# Altium PCB P22296-1-DES-1.2.PcbDoc (part 5 of 5) (continued)
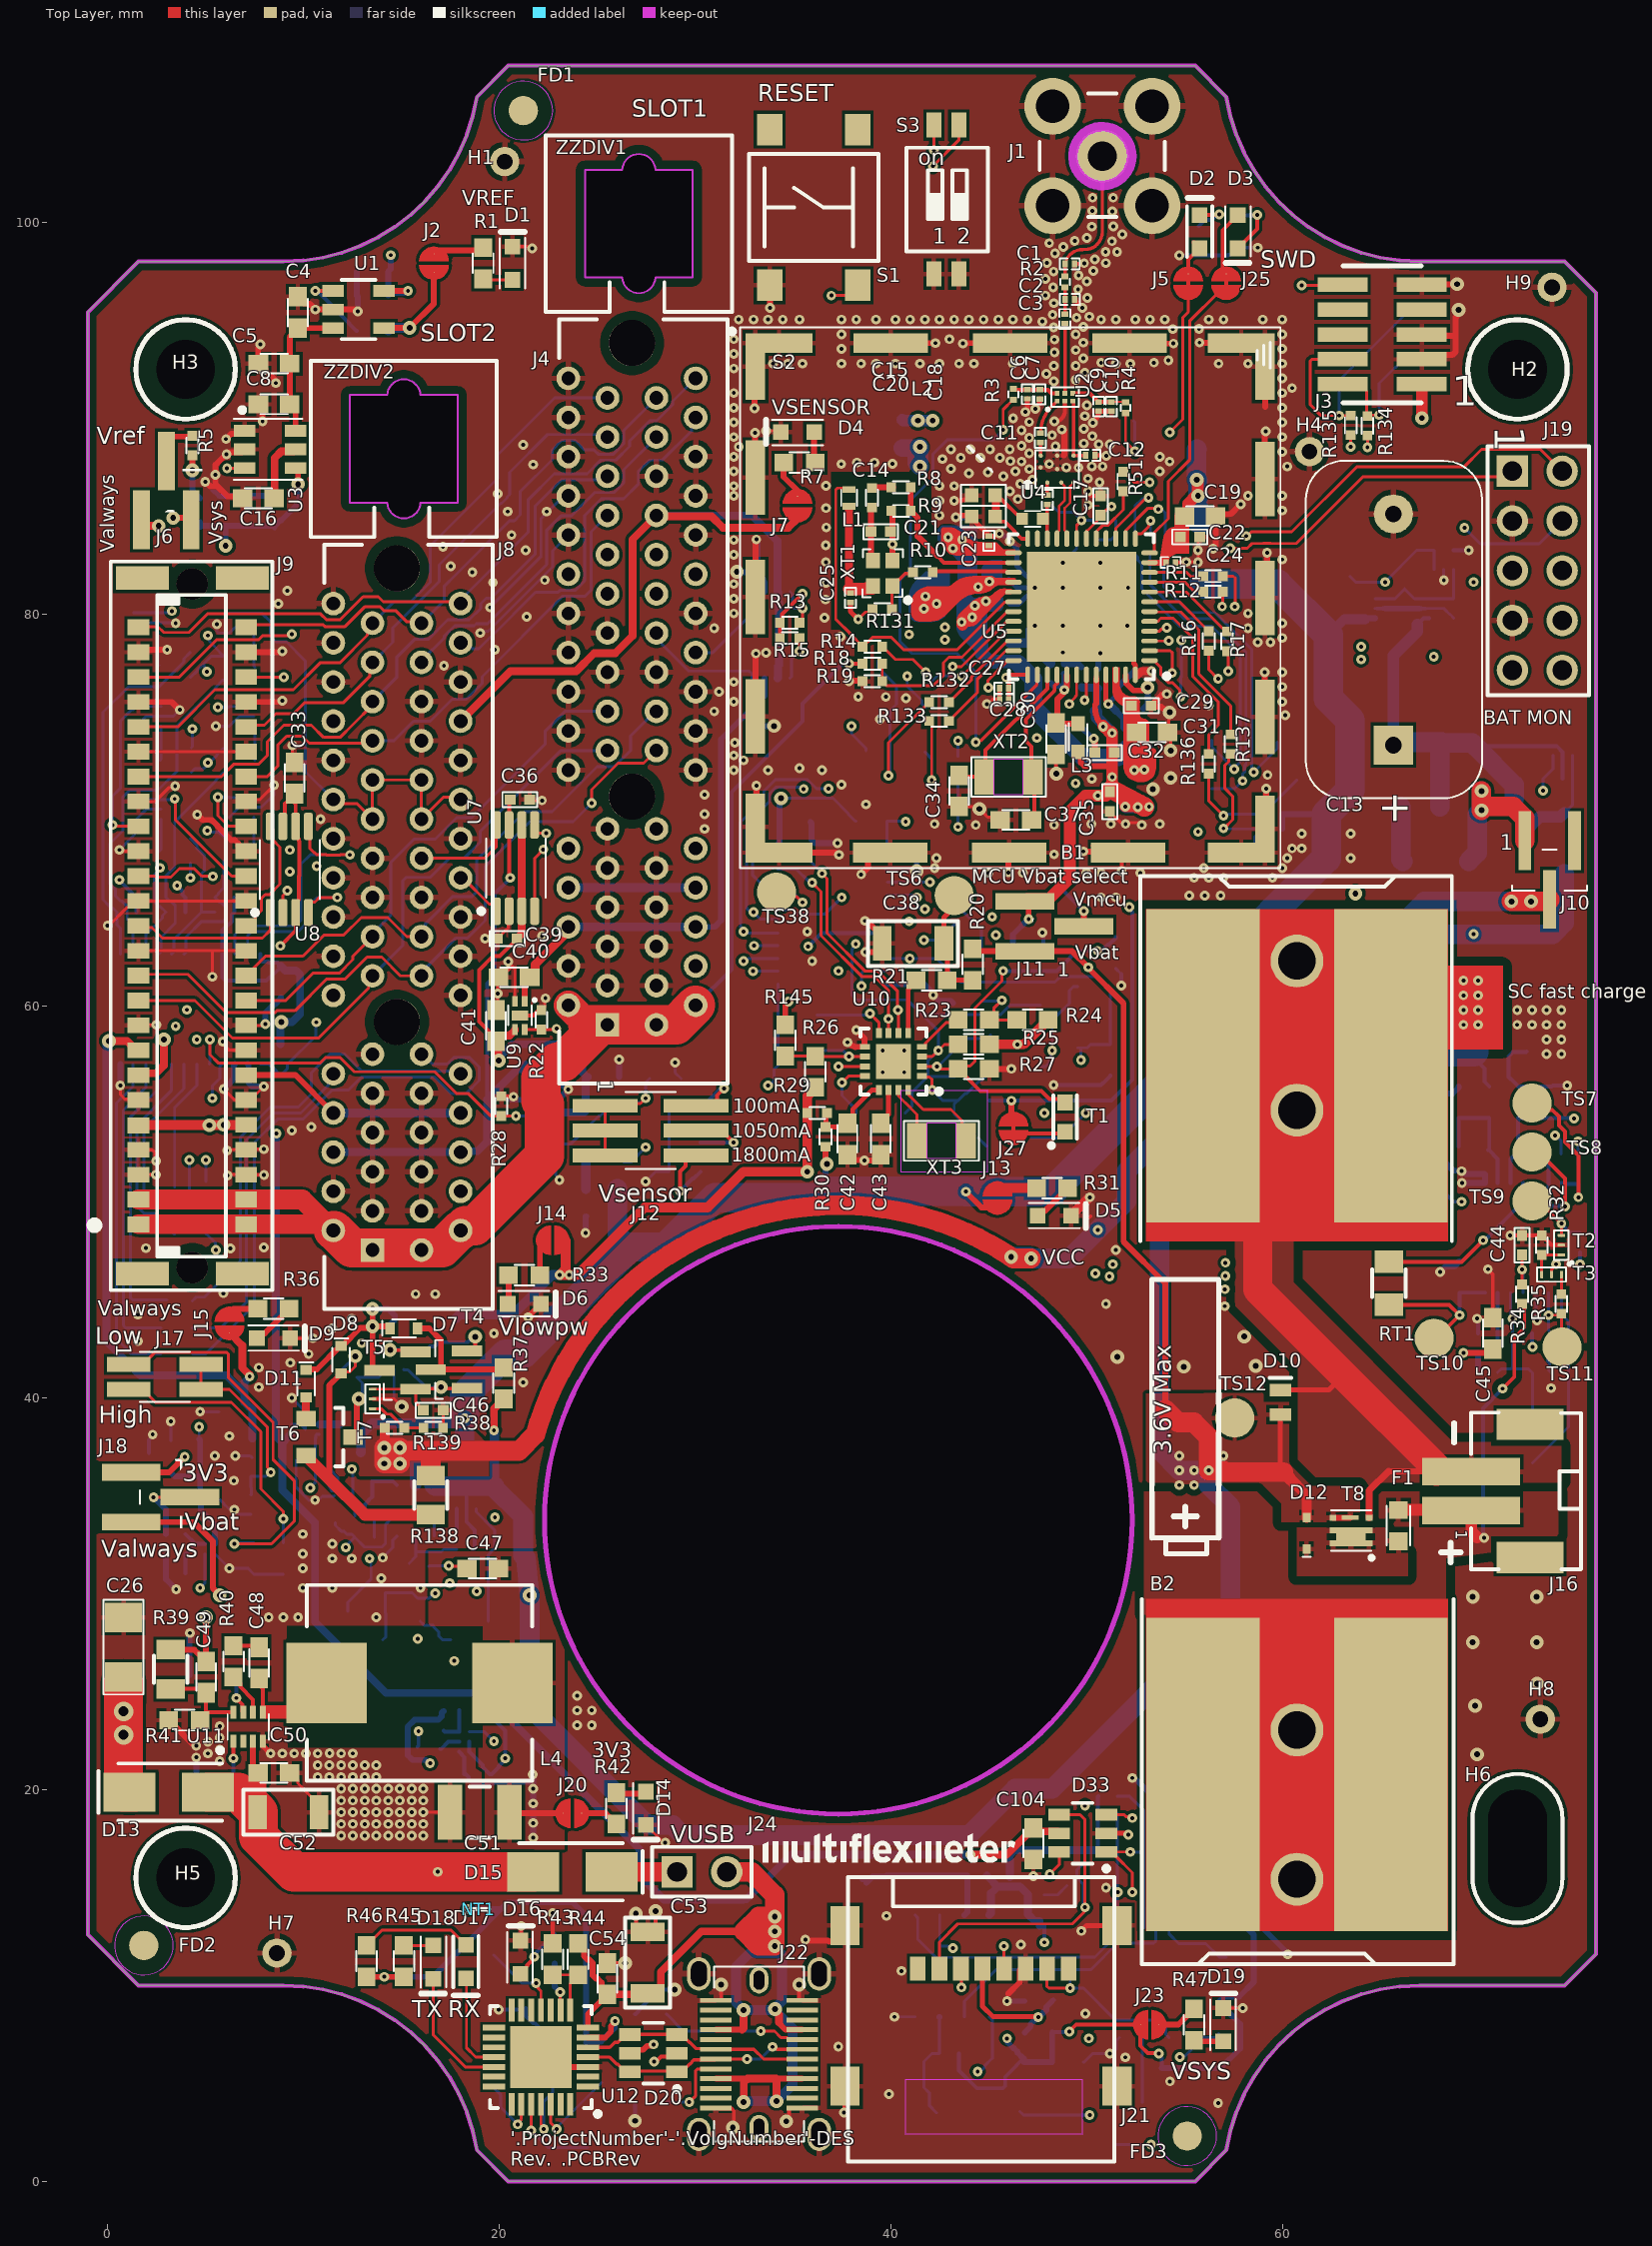
[diagram p0: Top Layer view]
## Nets (pads, with @x,y where several pads share a name; then routed paths per layer and width w, separated by ;. In a path a pad name is that pad's centre, name@x,y a point inside that pad or via, vN(x,y) a via of type N, cw(c..) or ccw(c..) an arc to the next point about the centre after c; other vN are vias at no path point) (continued)
  Bottom Layer w0.15: v1(10.359,35.406) 10.359,35.419 10.609,35.669 10.609,36.091 10.609,37.916 10.634,37.941 10.634,38.066 10.709,38.141 U20.4@10.834,38.141 ; v1(32.488,62.291) 32.582,62.291 32.715,62.424 U14.15@34.238,62.424
Vusb: C53.2 C54.2 D20.5 J22.A4 J22.A9 J22.B4 J22.B9 J24.2 R44.2 U12.7 | length 80.1
  Top Layer w0.3: R44.2@24.038,12.141 24.338,11.841 24.338,11.492 24.513,11.316 24.612,11.316 24.788,11.14 24.788,10.517 24.963,10.341 25.038,10.341 25.238,10.141 25.238,9.841 C54.2@25.538,9.541 25.538,9.491 25.238,9.191 25.188,9.191 24.538,8.541 U12.7@24.538,7.841 ; D20.5@26.688,6.541 26.863,6.716 27.359,6.716 27.557,6.914 27.811,6.914 v1(27.888,6.991) ; J22.A4@31.073,5.241 32.693,5.241 ; J22.A9@31.073,7.741 32.408,7.741 ; 34.163,5.216 34.188,5.241 J22.B9@35.473,5.241 ; 34.288,8.116 34.373,8.031 34.373,7.992 34.623,7.741 J22.B4@35.473,7.741
  Top Layer w0.4: C54.2@25.538,9.541 27.538,9.541 C53.2@27.588,9.591 27.988,9.591 28.263,9.866 28.263,10.691 30.333,12.761 32.507,12.761 ; 32.408,7.741 32.488,7.821 32.488,8.732 v2(32.479,8.741) ; v2(32.488,4.043) 32.499,4.055 32.499,5.048 32.693,5.241 34.138,5.241 34.163,5.216 v2(34.163,4.091) ; v2(34.088,8.791) 34.088,8.71 34.288,8.51 34.288,8.116
  Top Layer w1: J24.2@31.628,15.8 32.892,15.8 34.075,14.617 v2(34.075,13.511) ; 32.507,12.761 33.257,12.011 v2(34.075,12.011) v2(34.075,12.761) v2(34.075,13.511) ; 32.52,12.761 33.27,13.511 v2(34.075,13.511) ; 32.842,12.751 v2@34.064,12.751
  Layer 2 w0.3: v1(27.888,6.991) 28.463,6.991 29.913,5.541 31.583,5.541
  Layer 2 w0.6: v2(34.075,12.011) 34.523,11.564 34.523,9.226 v2@34.107,8.81
  Layer 2 w0.8: v2(34.075,12.011) v2(34.075,12.761) v2(34.075,13.511) ; 31.583,4.948 31.583,5.541 31.583,8.147 32.176,8.741 34.038,8.741 v2(34.088,8.791) 35.163,7.716 35.163,5.091 v2(34.163,4.091) 33.971,4.091 33.821,4.241 32.724,4.241 32.526,4.043 v2(32.488,4.043) 31.583,4.948
  Bottom Layer w0.5: v2(32.488,4.043) 32.526,4.081 32.667,4.081 32.677,4.091 v2(34.163,4.091) 34.982,4.91 34.982,7.816 34.188,8.61 34.188,8.637 34.088,8.737 v2(34.088,8.791) 34.033,8.791 33.983,8.741 v2(32.479,8.741) 32.479,8.753 32.098,9.134 32.098,10.953 32.786,11.641 34.246,11.641 34.277,11.61 34.394,11.61 ; v2(34.075,13.511) v2(34.075,12.761) 34.075,11.957 34.394,11.638 34.394,11.61 ; v2@34.126,8.883 34.448,9.205 34.448,11.556 34.394,11.61
pads on no net: D28.NC D29.NC D30.NC D31.NC D32.NC D34.A2 FD1.1 FD2.1 FD3.1 H2.1 H3.1 H5.1 H6.1 J3.6 J3.7 J3.8 J4. J8. J9.0 J9.MH J10.3 J16.3 J21.1 J21.8 J22.0 J22.A2 J22.A3 J22.A8 J22.A10 J22.A11 J22.B2 J22.B3 J22.B8 J22.B10 J22.B11 S1.NC U5.16 U5.23 U11.2 U12.1 U12.2 U12.10 U12.12 U12.13 U12.14 U12.15 U12.16 U12.17 U12.20 U12.21 U12.22 U12.27 U12.28 U14.9 U15.19 U15.20 U18.12 U24.9

## Polygon pours and split planes (outlines as drawn)
GND on Top Layer "GND_PLANE_TOP" (solid, remove dead copper, pour order 27): 12.923,9.199 13.828,8.757 14.685,8.227 15.484,7.613 16.217,6.921 16.877,6.16 17.457,5.335 17.951,4.457 18.354,3.533 18.662,2.574 18.872,1.588 20.459,0.001 55.538,0.001 57.125,1.588 57.335,2.574 57.643,3.533 58.046,4.457 58.54,5.335 59.12,6.16 59.78,6.921 60.513,7.613 61.312,8.227 62.169,8.757 63.074,9.199 64.02,9.547 64.996,9.798 65.992,9.95 66.998,10.001 74.411,10.001 75.998,11.588 75.998,96.413 74.411,98.001 66.998,98.001 65.992,98.052 64.996,98.204 64.02,98.455 63.074,98.803 62.169,99.245 61.312,99.775 60.513,100.389 59.78,101.081 59.12,101.842 58.54,102.666 58.046,103.545 57.643,104.468 57.335,105.428 57.125,106.413 55.538,108.001 20.459,108.001 18.872,106.413 18.662,105.428 18.354,104.468 17.951,103.545 17.457,102.666 16.877,101.842 16.217,101.081 15.484,100.389 14.685,99.775 13.828,99.245 12.923,98.803 11.977,98.455 11.001,98.204 10.005,98.052 8.998,98.001 1.586,98.001 -1.005,95.41 -1,95.41 -1,12.588 -1.001,12.588 1.586,10.001 8.998,10.001 10.005,9.95 11.001,9.798 11.977,9.547
Vbat on Top Layer "NetF1_1" (solid, remove dead copper, pour order 2): 59.942,34.61 59.037,35.515 60.017,36.496 60.482,36.496 61.485,35.493 64.121,35.493 64.121,33.648 59.942,33.648
+3V3 on Top Layer "+3V3" (solid, remove dead copper, pour order 7): 19.288,20.958 19.288,16.716 23.338,16.716 23.338,32.141 16.398,32.141 16.398,22.897
NetD12_C2 on Top Layer "NONET_L-01_P-001" (solid, remove dead copper, pour order 13): 60.737,33.374 60.737,30.891 66.4,30.891 66.4,33.374
pack+_8 on Top Layer "pack+_8" (solid, remove dead copper, pour order 14): 52.938,35.216 74.08,35.216 74.09,32.567 68.338,31.791 68.338,12.791 53.013,12.791 52.938,12.716
pack-_8 on Top Layer "pack-_8" (solid, remove dead copper, pour order 15): 57.538,48.571 57.563,48.546 57.563,44.716 60.788,41.491 60.788,35.516 74.118,35.516 74.238,35.636 74.238,37.741 68.706,37.741 60.553,45.894 60.553,48.558
+3V3 on Top Layer "+3V3" (solid, remove dead copper, pour order 25): 11.338,39.316 11.363,39.291 11.363,35.991 19.488,35.991 19.488,37.566 18.788,38.266 16.338,38.266 16.338,39.266 16.363,39.291
Vbat on Top Layer "Vbat" (solid, remove dead copper, pour order 24): 53.038,40.216 53.042,40.211 53.038,35.316 59.463,35.316 59.463,35.591 61.513,35.591 61.513,36.116 60.613,36.116 60.613,40.291
GND on Top Layer "GND" (solid, remove dead copper, pour order 1): 1.863,24.366 4.238,24.366 4.238,22.941 5.363,22.941 5.363,23.641 8.738,23.641 8.738,22.316 18.788,22.316 18.788,16.466 8.363,16.466 8.363,21.441 7.638,21.441 7.638,22.991 6.138,22.991 6.138,20.916 1.863,20.916
GND on Layer 2 "GND_PLANE_L2" (solid, remove dead copper, pour order 28): 12.923,9.199 13.828,8.757 14.685,8.227 15.484,7.613 16.217,6.921 16.877,6.16 17.457,5.335 17.951,4.457 18.354,3.533 18.662,2.574 18.872,1.588 20.459,0.001 55.538,0.001 57.125,1.588 57.335,2.574 57.643,3.533 58.046,4.457 58.54,5.335 59.12,6.16 59.78,6.921 60.513,7.613 61.312,8.227 62.169,8.757 63.074,9.199 64.02,9.547 64.996,9.798 65.992,9.95 66.998,10.001 74.411,10.001 75.998,11.588 75.998,96.413 74.411,98.001 66.998,98.001 65.992,98.052 64.996,98.204 64.02,98.455 63.074,98.803 62.169,99.245 61.312,99.775 60.513,100.389 59.78,101.081 59.12,101.842 58.54,102.666 58.046,103.545 57.643,104.468 57.335,105.428 57.125,106.413 55.538,108.001 20.459,108.001 18.872,106.413 18.662,105.428 18.354,104.468 17.951,103.545 17.457,102.666 16.877,101.842 16.217,101.081 15.484,100.389 14.685,99.775 13.828,99.245 12.923,98.803 11.977,98.455 11.001,98.204 10.005,98.052 8.998,98.001 1.586,98.001 -1.005,95.41 -1,95.41 -1,12.588 -1.001,12.588 1.586,10.001 8.998,10.001 10.005,9.95 11.001,9.798 11.977,9.547
pack-_8 on Layer 2 "pack-_8" (solid, remove dead copper, pour order 3): 58.838,64.166 58.838,52.466 70.713,52.466 70.713,64.166
Vddpa on Layer 2 "Vddpa" (solid, remove dead copper, pour order 16): 42.463,84.466 42.463,83.591 43.113,82.941 43.738,82.941 44.288,83.491 44.288,84.466
VCC_MCU on Layer 2 "Vmcu" (solid, remove dead copper, pour order 11): 54.138,87.391 54.188,81.716 54.763,81.141 54.763,71.541 54.038,70.816 52.588,70.816 51.788,71.516 51.788,74.561 50.813,74.561 50.813,71.541 50.038,71.166 50.038,70.041 50.588,69.491 55.413,69.491 57.967,72.046 57.967,87.356
GND on Layer 2 "GND" (solid, remove dead copper, pour order 4): 71.613,60.916 71.613,56.666 75.513,56.666 75.513,60.916
GND on Bottom Layer "GND_PLANE_BOT" (solid, remove dead copper, pour order 29): 12.923,9.199 13.828,8.757 14.685,8.227 15.484,7.613 16.217,6.921 16.877,6.16 17.457,5.335 17.951,4.457 18.354,3.533 18.662,2.574 18.872,1.588 20.459,0.001 55.538,0.001 57.125,1.588 57.335,2.574 57.643,3.533 58.046,4.457 58.54,5.335 59.12,6.16 59.78,6.921 60.513,7.613 61.312,8.227 62.169,8.757 63.074,9.199 64.02,9.547 64.996,9.798 65.992,9.95 66.998,10.001 74.411,10.001 75.998,11.588 75.998,96.413 74.411,98.001 66.998,98.001 65.992,98.052 64.996,98.204 64.02,98.455 63.074,98.803 62.169,99.245 61.312,99.775 60.513,100.389 59.78,101.081 59.12,101.842 58.54,102.666 58.046,103.545 57.643,104.468 57.335,105.428 57.125,106.413 55.538,108.001 20.459,108.001 18.872,106.413 18.662,105.428 18.354,104.468 17.951,103.545 17.457,102.666 16.877,101.842 16.217,101.081 15.484,100.389 14.685,99.775 13.828,99.245 12.923,98.803 11.977,98.455 11.001,98.204 10.005,98.052 8.998,98.001 1.586,98.001 -1.005,95.41 -1,95.41 -1,12.588 -1.001,12.588 1.586,10.001 8.998,10.001 10.005,9.95 11.001,9.798 11.977,9.547
pack-_8 on Bottom Layer "pack-_8" (solid, remove dead copper, pour order 5): 58.513,54.941 65.363,61.791 70.835,61.791 70.835,56.641 67.388,56.641 62.563,51.816 58.463,51.816
Vbat on Bottom Layer "Vbat" (solid, remove dead copper, pour order 8): 50.601,18.355 50.573,18.383 50.573,19.664 50.973,20.064 52.311,20.064 59.538,27.291 59.538,37.691 52.713,37.691 52.663,37.741 52.663,32.091 50.788,30.216 50.788,26.966 44.413,20.591 30.813,20.591 23.713,27.691 23.713,39.416 19.363,39.416 19.363,33.646 19.413,33.596 19.413,29.118 20.338,28.193 20.338,23.716 27.384,16.669 46.05,16.669 46.523,17.142 50.573,17.142 50.573,18.326
+3V3 on Bottom Layer "+3V3" (solid, remove dead copper, pour order 9): 15.663,38.441 15.688,38.466 15.713,38.441 15.713,34.741 12.913,34.741 12.913,38.441
Vcc on Bottom Layer "Vcc" (solid, remove dead copper, pour order 10): 63.817,80.062 65.363,80.062 65.363,79.573 64.238,78.448 64.238,64.966 47.413,48.141 32.688,48.141 31.238,46.691 30.24,46.691 ccw(c30.24,44.151) 28.444,45.947 24.413,41.916 23.063,39.391 19.263,39.366 19.263,36.091 16.738,36.091 16.738,39.791 28.238,51.291 34.713,51.291 36.738,53.316 48.388,53.316 54.013,58.941 54.013,64.041 58.013,68.041 59.488,68.041 60.163,68.716 60.163,78.491 58.188,80.466 55.138,80.466 55.138,82.416 55.388,82.666 61.213,82.666
GND on Bottom Layer "GND" (solid, remove dead copper, pour order 6): 71.613,60.916 71.613,56.666 75.513,56.666 75.513,60.916
GND on Layer 4 "GND_PLANE_L4" (solid, remove dead copper, pour order 32): 12.923,9.199 13.828,8.757 14.685,8.227 15.484,7.613 16.217,6.921 16.877,6.16 17.457,5.335 17.951,4.457 18.354,3.533 18.662,2.574 18.872,1.588 20.459,0.001 55.538,0.001 57.125,1.588 57.335,2.574 57.643,3.533 58.046,4.457 58.54,5.335 59.12,6.16 59.78,6.921 60.513,7.613 61.312,8.227 62.169,8.757 63.074,9.199 64.02,9.547 64.996,9.798 65.992,9.95 66.998,10.001 74.411,10.001 75.998,11.588 75.998,96.413 74.411,98.001 66.998,98.001 65.992,98.052 64.996,98.204 64.02,98.455 63.074,98.803 62.169,99.245 61.312,99.775 60.513,100.389 59.78,101.081 59.12,101.842 58.54,102.666 58.046,103.545 57.643,104.468 57.335,105.428 57.125,106.413 55.538,108.001 20.459,108.001 18.872,106.413 18.662,105.428 18.354,104.468 17.951,103.545 17.457,102.666 16.877,101.842 16.217,101.081 15.484,100.389 14.685,99.775 13.828,99.245 12.923,98.803 11.977,98.455 11.001,98.204 10.005,98.052 8.998,98.001 1.586,98.001 -1.005,95.41 -1,95.41 -1,12.588 -1.001,12.588 1.586,10.001 8.998,10.001 10.005,9.95 11.001,9.798 11.977,9.547
GND on Layer 4 "NONET_L-01_P-001" (solid, remove dead copper, pour order 20): 12.781,7.801 13.595,7.488 14.372,7.092 15.103,6.617 15.781,6.069 16.398,5.452 16.946,4.774 17.421,4.043 17.817,3.266 18.13,2.452 18.355,1.61 18.492,0.748 18.537,-0.123 57.247,-0.123 57.293,0.748 57.429,1.61 57.655,2.452 57.967,3.266 58.363,4.043 58.838,4.774 59.387,5.452 60.004,6.069 60.681,6.617 61.413,7.092 62.19,7.488 63.004,7.801 63.846,8.027 64.707,8.163 65.578,8.209 76.627,8.209 76.627,99.953 65.578,99.953 64.707,99.999 63.846,100.135 63.004,100.361 62.19,100.674 61.413,101.07 60.681,101.544 60.004,102.093 59.387,102.71 58.838,103.388 58.363,104.119 57.967,104.896 57.655,105.71 57.429,106.552 57.293,107.414 57.247,108.285 18.537,108.285 18.492,107.414 18.355,106.552 18.13,105.71 17.817,104.896 17.421,104.119 16.946,103.388 16.398,102.71 15.781,102.093 15.103,101.544 14.372,101.07 13.595,100.674 12.781,100.361 11.938,100.135 11.077,99.999 10.206,99.953 -0.843,99.953 -0.843,8.209 10.206,8.209 11.077,8.163 11.938,8.026
GND on Layer 1 "GND_PLANE_L1" (solid, remove dead copper, pour order 30): 12.923,9.199 13.828,8.757 14.685,8.227 15.484,7.613 16.217,6.921 16.877,6.16 17.457,5.335 17.951,4.457 18.354,3.533 18.662,2.574 18.872,1.588 20.459,0.001 55.538,0.001 57.125,1.588 57.335,2.574 57.643,3.533 58.046,4.457 58.54,5.335 59.12,6.16 59.78,6.921 60.513,7.613 61.312,8.227 62.169,8.757 63.074,9.199 64.02,9.547 64.996,9.798 65.992,9.95 66.998,10.001 74.411,10.001 75.998,11.588 75.998,96.413 74.411,98.001 66.998,98.001 65.992,98.052 64.996,98.204 64.02,98.455 63.074,98.803 62.169,99.245 61.312,99.775 60.513,100.389 59.78,101.081 59.12,101.842 58.54,102.666 58.046,103.545 57.643,104.468 57.335,105.428 57.125,106.413 55.538,108.001 20.459,108.001 18.872,106.413 18.662,105.428 18.354,104.468 17.951,103.545 17.457,102.666 16.877,101.842 16.217,101.081 15.484,100.389 14.685,99.775 13.828,99.245 12.923,98.803 11.977,98.455 11.001,98.204 10.005,98.052 8.998,98.001 1.586,98.001 -1.005,95.41 -1,95.41 -1,12.588 -1.001,12.588 1.586,10.001 8.998,10.001 10.005,9.95 11.001,9.798 11.977,9.547
GND on Layer 3 "GND_PLANE_L3" (solid, remove dead copper, pour order 31): 12.923,9.199 13.828,8.757 14.685,8.227 15.484,7.613 16.217,6.921 16.877,6.16 17.457,5.335 17.951,4.457 18.354,3.533 18.662,2.574 18.872,1.588 20.459,0.001 55.538,0.001 57.125,1.588 57.335,2.574 57.643,3.533 58.046,4.457 58.54,5.335 59.12,6.16 59.78,6.921 60.513,7.613 61.312,8.227 62.169,8.757 63.074,9.199 64.02,9.547 64.996,9.798 65.992,9.95 66.998,10.001 74.411,10.001 75.998,11.588 75.998,96.413 74.411,98.001 66.998,98.001 65.992,98.052 64.996,98.204 64.02,98.455 63.074,98.803 62.169,99.245 61.312,99.775 60.513,100.389 59.78,101.081 59.12,101.842 58.54,102.666 58.046,103.545 57.643,104.468 57.335,105.428 57.125,106.413 55.538,108.001 20.459,108.001 18.872,106.413 18.662,105.428 18.354,104.468 17.951,103.545 17.457,102.666 16.877,101.842 16.217,101.081 15.484,100.389 14.685,99.775 13.828,99.245 12.923,98.803 11.977,98.455 11.001,98.204 10.005,98.052 8.998,98.001 1.586,98.001 -1.005,95.41 -1,95.41 -1,12.588 -1.001,12.588 1.586,10.001 8.998,10.001 10.005,9.95 11.001,9.798 11.977,9.547

## Keep-outs
Top Layer:
  circle w0.5: c50.801,103.388 r1.5
  rectangle: 40.497,51.542 44.934,55.666
Layer 4:
  lines w0.1: 66.338,36.891 66.438,36.991 66.438,50.991 66.438,54.991 68.063,56.616 71.988,56.616 75.813,56.616
Bottom Layer:
  circle w0.254: c3.998,92.498 r3.5
  circle w0.254: c71.998,92.498 r3.5
  circle w0.254: c3.998,15.498 r3.5
  lines w0.1: 66.338,36.891 66.438,36.991 66.438,50.991 66.438,54.991 67.625,56.178 ; 71.988,56.616 75.813,56.616
  lines w0.2: 55.97,15.289 55.97,15.789
Keep-Out Layer:
  circle w0.254: c37.323,33.748 r15
  lines w0.2: -1,12.587 1.586,10.001 8.998,10.001 10.005,9.95 11.001,9.798 11.977,9.547 12.923,9.199 13.828,8.757 14.685,8.227 15.484,7.613 16.217,6.921 16.877,6.16 17.457,5.335 17.951,4.457 18.354,3.533 18.662,2.574 18.872,1.588 20.459,0.001 55.538,0.001 57.125,1.588 57.335,2.574 57.643,3.533 58.046,4.457 58.54,5.335 59.12,6.16 59.78,6.921 60.513,7.613 61.312,8.227 62.169,8.757 63.074,9.199 64.02,9.547 64.996,9.798 65.992,9.95 66.998,10.001 74.411,10.001 75.998,11.588 75.998,96.413 74.411,98.001 66.998,98.001 65.992,98.052 64.996,98.204 64.02,98.455 63.074,98.803 62.169,99.245 61.312,99.775 60.513,100.389 59.78,101.081 59.12,101.842 58.54,102.666 58.046,103.545 57.643,104.468 57.335,105.428 57.125,106.413 55.538,108.001 20.459,108.001 18.872,106.413 18.662,105.428 18.354,104.468 17.951,103.545 17.457,102.666 16.877,101.842 16.217,101.081 15.484,100.389 14.685,99.775 13.828,99.245 12.923,98.803 11.977,98.455 11.001,98.204 10.005,98.052 8.998,98.001 1.586,98.001 -1,95.415 -1,12.587

## Other copper
Top Layer:
  region net VCC_MCU: 54.139,82.473 53.723,82.654 53.913,83.816 cw(c54.582,83.811) 54.735,84.463 cw(c55.309,83.481) 55.238,84.616 55.238,83.092 54.638,83.092 ccw(c54.796,82.288) 54.245,82.894
  region net Vddrf: 45.438,81.841 cw(c45.423,82.047) 45.288,81.891 ccw(c45.152,81.735) 45.138,81.941 44.188,81.941 ccw(c44.158,80.504) 43.163,81.541 cw(c42.861,81.843) 42.861,81.416 41.988,81.416 ccw(c41.987,80.451) 41.305,81.133 41.238,81.066 ccw(c41.72,80.583) 41.038,80.583 41.038,80.103 ccw(c41.55,80.103) 41.188,79.741 ccw(c41.429,79.982) 41.429,79.641 42.099,79.641 ccw(c42.099,80.58) 42.763,79.916 43.453,80.606 cw(c44.563,79.497) 44.563,81.066 44.644,81.066 ccw(c44.644,81.834) 45.188,81.291 cw(c45.67,80.808) 45.67,81.491 46.238,81.491 ccw(c46.238,81.672) 46.366,81.544 46.388,81.566 46.388,81.781 ccw(c46.334,81.772) 46.366,81.816 ccw(c46.304,81.753) 46.303,81.841
  region net Vddrf: 51.313,77.291 51.313,76.041 ccw(c52.223,76.162) 51.813,75.341 cw(c51.8,75.254) 51.888,75.241 51.888,72.241 ccw(c52.688,72.241) 52.688,71.441 52.838,71.441 ccw(c52.838,72.141) 53.538,72.141 53.538,73.016 ccw(c53.413,73.016) 53.413,73.141 cw(c53.413,73.366) 53.188,73.366 53.188,74.391 ccw(c52.913,74.391) 52.913,74.666 cw(c52.913,74.866) 52.713,74.866 52.713,75.441 ccw(c52.425,75.504) 52.386,75.795 cw(c52.331,76.438) 51.688,76.384 51.688,77.291
  region net Vddpa: 43.509,79.217 ccw(c43.657,79.444) 43.849,79.253 43.932,79.336 44.222,79.409 ccw(c44.137,79.745) 44.388,79.507 45.868,81.068 45.868,81.305 45.739,81.305 ccw(c45.738,80.736) 45.336,81.138 45.2,81.002 cw(c44.971,81.232) 44.971,80.907 44.939,80.907 44.854,80.907 ccw(c44.854,79.808) 44.076,80.585 43.543,80.051 ccw(c43.987,79.606) 43.358,79.606 43.358,79.496 ccw(c43.691,79.496)
  region net Vddpa: 46.359,83.006 43.318,83.006 cw(c43.318,83.622) 42.855,83.214 42.653,83.444 cw(c42.853,83.621) 42.586,83.621 42.586,84.32 cw(c42.698,84.32) 42.698,84.432 43.031,84.432 cw(c43.031,83.78) 43.417,84.306 43.686,84.109 ccw(c43.975,84.256) 43.829,83.966 44.211,83.724 44.917,83.654 45.412,83.654 45.757,83.309 46.35,83.309
  pour cut-out: 45.965,81.529 43.765,81.529 41.445,79.209 36.965,79.209 36.965,80.369 36.965,87.269 38.665,87.269 41.465,87.269 42.065,86.769 42.065,84.629 43.605,83.089 45.645,83.089 45.965,82.769
  region net pack-_8: 58.238,64.931 63.238,64.931 63.238,48.001 58.238,48.001
  pour cut-out: 31.813,7.966 34.738,7.966 34.738,5.291 31.813,5.291
  region net pack-_8: 66.738,62.041 71.238,62.041 71.238,57.791 66.738,57.791
  region net pack+_8: 58.472,29.721 63.238,29.721 63.238,12.791 58.75,12.791
  pour cut-out: 9.188,28.341 19.188,28.341 19.188,22.116 18.788,22.116 9.211,22.116
  pour cut-out: 46.897,84.112 46.897,86.577 47.466,86.577 47.466,84.112
  pour cut-out: 47.465,84.873 47.465,87.229 49.752,87.229 49.752,84.873
  pour cut-out: 47.884,73.933 47.884,73.433 49.284,73.433 49.284,73.933
  pour cut-out: 53.589,73.258 53.089,73.258 53.089,74.658 53.589,74.658
Layer 2:
  region net Vddpa: 43.415,79.906 44.291,80.783 cw(c44.788,80.04) 44.963,80.916 45.236,80.783 cw(c45.236,80.55) 45.442,80.66 cw(c45.378,80.563) 45.494,80.563 45.494,80.112 44.156,78.774 cw(c44.039,78.89) 43.922,78.774 43.399,79.296 cw(c43.696,79.594)
  region net Vddrf: 43.313,81.141 45.381,81.141 cw(c45.381,80.885) 45.563,81.066 cw(c45.321,80.825) 45.663,80.825 45.663,79.016 46.115,79.016 ccw(c46.115,79.613) 46.538,79.191 46.538,82.866 ccw(c45.753,82.081) 45.753,83.191 44.681,83.191 ccw(c44.681,82.423) 44.138,82.966 44.1,82.928 cw(c43.588,83.44) 43.588,82.716 43.385,82.716 cw(c43.385,83.313) 42.963,82.891
  region net Vddrf: 40.538,83.566 40.538,81.49 ccw(c42.524,81.339) 41.013,80.041 ccw(c41.534,80.532) 41.513,79.816 42.113,79.741 ccw(c42.201,80.553) 42.713,79.916 44.113,81.216
  region net Vddpa: 43.916,78.785 45.462,77.826 45.493,80.401
Bottom Layer:
  region net Vddrf: 43.009,82.186 41.773,82.186 41.269,81.683 ccw(c42.126,80.826) 40.914,80.826 40.914,80.066 ccw(c41.369,80.066) 41.369,79.611 42.125,79.611 ccw(c42.125,80.495) 43.009,80.495 43.009,81.454
  region net Vddrf: 44.238,81.166 44.238,81.466 cw(c44.458,81.45) 44.359,81.647 44.55,81.647 ccw(c44.454,81.806) 44.64,81.806 44.64,82.299 cw(c44.91,82.299) 44.719,82.49 44.875,82.646 cw(c45.136,82.385) 45.137,82.754 45.693,82.754 45.693,81.608 44.703,81.078 cw(c44.604,81.19) 44.604,81.041 44.386,81.041 cw(c44.374,81.178)
  region net Vddpa: 44.921,78.052 44.371,78.052 43.575,78.847 cw(c44.093,79.365) 43.361,79.365 43.361,80.624 44.266,80.624 ccw(c44.267,80.712) 44.355,80.712 cw(c44.511,80.712) 44.511,80.868 45.663,80.868 cw(c45.663,80.786) 45.745,80.786 45.745,80.438 cw(c45.447,80.438) 45.447,80.14 44.999,80.14 ccw(c44.999,80.062) 44.921,80.062
  region net Vddpa: 44.478,80.848 44.221,80.839 44.059,81.028 44.059,81.632 44.408,81.981 44.408,84.331 44.221,84.517 43.663,84.517 42.608,84.517 42.404,84.313 42.404,83.755 42.422,83.755 42.998,83.179 43.601,82.567 43.574,82.541 43.574,80.511 43.716,80.369 43.734,80.387 44.248,80.387 44.248,80.431 44.452,80.635 44.452,80.865
  pour cut-out: 45.564,77.958 45.014,77.958 45.014,79.083 45.564,79.083
  pour cut-out: 52.189,73.883 52.189,74.383 53.589,74.383 53.589,73.883

## Silkscreen, mask and mechanical layers (free items; w line width, h text height)
Top Overlay:
  drawing of 51 lines, arcs and shapes, not listed
  text "RESET" at 33.198,105.868 h1.5
  text "SLOT1" at 26.778,105.079 h1.5
  text "VREF" at 18.109,100.621 h1.3
  text "SWD" at 58.869,97.374 h1.5
  text "SLOT2" at 15.982,93.629 h1.5
  text "VSENSOR" at 33.913,89.94 h1.3
  text "Vref" at -0.548,88.392 h1.5
  text "Vsys" at 6.126,83.57 h1.2 r90
  text "Valways" at 0.576,83.148 h1.2 r90
  text "BAT MON" at 70.267,74.149 h1.2
  text "MCU Vbat select" at 44.138,66.041 h1.2
  text "Vmcu" at 49.31,64.861 h1.2
  text "Vbat" at 49.41,62.161 h1.2
  text "SC fast charge" at 71.507,60.168 h1.2
  text "100mA" at 31.927,54.317 h1.2
  text "1050mA" at 31.881,53.049 h1.2
  text "1800mA" at 31.858,51.814 h1.2
  text "Vsensor" at 25.082,49.692 h1.5
  text "VCC" at 47.738,46.542 h1.3
  text "Valways" at -0.484,43.941 h1.3
  text "Vlowpw" at 19.961,42.884 h1.5
  text "Low" at -0.611,42.442 h1.5
  text "High" at -0.437,38.391 h1.5
  text "3.6V Max" at 54.61,37.094 h1.5 r90
  text "3V3" at 3.849,35.447 h1.5
  text "Vbat" at 3.938,32.938 h1.5
  text "Valways" at -0.305,31.571 h1.5
  text "3V3" at 24.734,21.392 h1.3
  text "VUSB" at 28.781,16.997 h1.5
  text "TX" at 15.564,8.066 h1.5
  text "RX" at 17.385,8.069 h1.5
  text "VSYS" at 54.298,4.91 h1.5
  text "'.ProjectNumber'-'.VolgNumber'-DES" at 20.586,1.607 h1.2
  text "Rev." at 20.586,0.557 h1.2
  text ".PCBRev" at 23.161,0.557 h1.2
Bottom Overlay:
  drawing of 26 lines, arcs and shapes, not listed
Board Outline:
  circle w0.2: c37.323,33.748 r15
  circle w0.1: c37.323,33.748 r15
  lines w0.2: -1.005,95.41 1.586,98.001 8.998,98.001 10.005,98.052 11.001,98.204 11.977,98.455 12.923,98.803 13.828,99.245 14.685,99.775 15.484,100.389 16.217,101.081 16.877,101.842 17.457,102.666 17.951,103.545 18.354,104.468 18.662,105.428 18.872,106.413 20.459,108.001 55.538,108.001 57.125,106.413 57.335,105.428 57.643,104.468 58.046,103.545 58.54,102.666 59.12,101.842 59.78,101.081 60.513,100.389 61.312,99.775 62.169,99.245 63.074,98.803 64.02,98.455 64.996,98.204 65.992,98.052 66.998,98.001 74.411,98.001 75.998,96.413 ; -1,95.41 -1,12.588 1.586,10.001 8.998,10.001 10.005,9.95 11.001,9.798 11.977,9.547 12.923,9.199 13.828,8.757 14.685,8.227 15.484,7.613 16.217,6.921 16.877,6.16 17.457,5.335 17.951,4.457 18.354,3.533 18.662,2.574 18.872,1.588 20.459,0.001 55.538,0.001 57.125,1.588 57.335,2.574 57.643,3.533 58.046,4.457 58.54,5.335 59.12,6.16 59.78,6.921 60.513,7.613 61.312,8.227 62.169,8.757 63.074,9.199 64.02,9.547 64.996,9.798 65.992,9.95 66.998,10.001 74.411,10.001 75.998,11.588 76.001,96.413 ; 22.323,33.748 cw(c37.323,33.748) 37.323,48.748 cw(c37.323,33.748) 52.323,33.748 cw(c37.323,33.748) 37.323,18.748 cw(c37.323,33.748) 22.323,33.748
Fabrication Notes:
  circle w0.2: c50.522,92.1 r13.482
  circle w0.2: c29.706,6.741 r6.22
  lines w0.125: 48.489,83.858 48.489,84.181 48.601,84.294 48.601,85.53 48.881,85.81 48.881,86.539 48.704,86.717 ; 48.989,83.858 48.989,84.181 48.876,84.294 48.876,85.416 49.156,85.696 49.156,86.539 49.334,86.717
  lines w0.167: 24.539,6.341 25.652,6.341 26.01,5.982 26.073,5.982 26.464,5.591 ; 24.539,6.841 25.652,6.841 25.91,7.099 26.073,7.099 26.472,7.498 29.307,7.498 29.706,7.099 29.736,7.099 30.053,6.782 31.033,6.782 31.074,6.741 33.019,6.741 33.519,6.241 35.474,6.241 ; 26.689,5.591 26.722,5.624 29.056,5.624 29.089,5.591 ; 29.314,5.591 29.706,5.982 29.736,5.982 29.953,6.199 31.033,6.199 31.074,6.241 32.664,6.241 33.339,6.241 33.964,6.866 34.054,6.866 34.179,6.741 35.474,6.741
  lines w0.17: 47.654,88.097 47.654,88.682 ; 47.654,89.282 cw(c49.489,89.282) 48.191,90.579 48.493,90.882 ; 47.988,86.081 47.988,86.71 ; 47.988,83.77 47.988,85.562 ; 48.893,91.282 48.893,94.707 ; 48.893,95.307 48.893,95.91 ; 48.898,97.247 48.898,97.762 cw(c49.716,97.762) 49.138,98.341 cw(c49.801,97.677) 49.801,98.616 49.805,98.62 49.943,98.62 ccw(c49.943,99.439) 50.522,98.86 ccw(c49.858,99.524) 50.797,99.524 50.801,99.528 50.801,103.388 ; 49.293,90.882 cw(c49.196,90.784) 49.334,90.784 49.334,88.097 49.914,88.097 ; 49.951,88.088 49.951,88.098 49.951,88.12 ; 48.893,95.91 48.893,95.91 ; 48.893,95.91 48.893,96.532 ; 48.893,96.532 48.893,96.532
  lines w0.381: 92.226,-10.083 102.638,-10.083 126.253,-10.083 ; 92.226,-7.035 102.638,-7.035 126.253,-7.035 ; 92.226,-3.987 102.638,-3.987 126.253,-3.987 ; 92.226,-0.939 102.638,-0.939 126.253,-0.939 ; 92.226,2.109 102.638,2.109 126.253,2.109 ; 92.226,5.157 102.638,5.157 126.253,5.157 ; 92.226,8.205 102.638,8.205 126.253,8.205 ; 92.226,11.253 102.638,11.253 126.253,11.253 ; 92.226,14.301 102.638,14.301 126.253,14.301 ; 92.226,17.349 102.638,17.349 126.253,17.349 ; 92.226,20.397 102.638,20.397 126.253,20.397 ; 92.226,23.445 102.638,23.445 126.253,23.445 ; 92.226,26.493 102.638,26.493 126.253,26.493 ; 92.226,29.541 102.638,29.541 126.253,29.541 ; 92.226,32.589 126.253,32.589 ; 102.638,35.637 102.638,-13.131 ; 102.638,-13.131 92.226,-13.131 92.226,35.637 126.253,35.637 126.253,-13.131 102.638,-13.131
  text "# FINISHED BOARD TOTAL THICKNESS IS 1.55 MM +/- 10%" at 92.118,84.626 h1.27
  text "# OVERALL TOLERANCE ON DIMENSIONS IS +/- 0.20MM" at 92.118,81.451 h1.27
  text "# OVERALL TOLERANCE ON DRILL DIAMETERS IS +/- 0.1MM" at 92.118,78.276 h1.27
  text "Controlled Impedance" at 36.05,76.702 h2
  text "# COPPER THICKNESS IS 1 oz" at 92.118,75.101 h1.27
  text "# ALL DIMENSIONS ARE IN MM UNLESS OTHERWISE NOTED" at 92.044,71.865 h1.27
  text "# BOARD FINISH: Chem Ni/Au selective" at 92.03,68.788 h1.27
  text "# Make sure Soldermask is flat for BGA components" at 91.93,66.088 h1.27
  text "# IMPEDANCE CONTROLLED LINES:" at 91.93,63.313 h1.27
  text "50R SINGLE ENDED MICROSTRIP / --------------------- / TOP  REF: L2       TW: 0.17mm / BOT  REF: L4       TW: 0.17mm /  / 100R DIFFERENTIAL: ODD-MODE 50R / --------------------- / TOP  REF: L2       TW: 0.11mm TT: 0.15mm / BOT  REF: L4       TW: 0.11mm TT: 0.15mm /  / 90R DIFFERENTIAL / --------------------- / TOP  REF: L2       TW: 0.126mm TT: 0.135mm / BOT  REF: L4       TW: 0.126mm TT: 0.135mm" at 92,36.891 h1.27
  text "Layer" at 94.004,33.351 h1.52
  text "Name" at 104.416,33.351 h1.52
  text "Top Overlay" at 104.416,30.303 h1.52
  text "Top Solder" at 104.416,27.255 h1.52
  text "1" at 94.004,24.207 h1.52
  text "Top Layer" at 104.416,24.207 h1.52
  text "Dielectric 2" at 104.416,21.159 h1.52
  text "2" at 94.004,18.111 h1.52
  text "Layer 1" at 104.416,18.111 h1.52
  text "Dielectric 4" at 104.416,15.063 h1.52
  text "3" at 94.004,12.015 h1.52
  text "Layer 2" at 104.416,12.015 h1.52
  text "Dielectric 1" at 104.416,8.967 h1.52
  text "4" at 94.004,5.919 h1.52
  text "Layer 3" at 104.416,5.919 h1.52
  text "Dielectric 3" at 104.416,2.871 h1.52
  text "5" at 94.004,-0.177 h1.52
  text "Layer 4" at 104.416,-0.177 h1.52
  text "Controlled Impedance 90 Ohms" at 15.5,-0.898 h2
  text "Dielectric3" at 104.416,-3.225 h1.52
  text "6" at 94.004,-6.273 h1.52
  text "Bottom Layer" at 104.416,-6.273 h1.52
  text "Bottom Solder" at 104.416,-9.321 h1.52
  text "Bottom Overlay" at 104.416,-12.369 h1.52
Dimensions:
  lines w0.2: 36.8,33.748 37.85,33.748 ; 37.323,33.275 37.323,34.225

## Dimensions
71.998,15.498 to 66.998,10.001 on Bottom Courtyard
71.998,15.752 to 76,12.925 on Bottom Courtyard
-1.005,95.41 to 3.998,15.498 on Bottom Courtyard
71.998,15.498 to 36.8,33.748 on Bottom Courtyard
71.998,15.498 to 37.323,34.225 on Bottom Courtyard
20.459,0.001 to 20.459,108.001 on Bottom Courtyard
-1,12.588 to 75.998,11.588 on Bottom Courtyard
52.323,34.337 to 22.323,33.453 on Bottom Courtyard
71.998,15.498 to 71.998,92.498 on Bottom Courtyard
3.998,92.498 to 71.998,92.498 on Bottom Courtyard

## Text inside footprints (layer, text, board x,y; h text height)
C13: Top Overlay "+" at 66.412,69.225 h1.5 r90; Top Assembly "+" at 66.412,69.216 h1.5 r90
D1: Top Assembly "A" at 20.633,97.174 h0.4 r90
D3: Top Assembly "A" at 57.772,100.273 h0.4 r270
D4: Top Assembly "A" at 35.983,89.235 h0.4 r180
D5: Top Assembly "A" at 47.609,49.348 h0.4
D6: Top Assembly "A" at 20.542,44.847 h0.4
D9: Top Assembly "A" at 7.742,43.097 h0.4
D14: Top Assembly "A" at 27.543,19.787 h0.4 r270
D16: Top Assembly "A" at 21.032,10.695 h0.4 r90
D18: Top Assembly "A" at 16.693,11.937 h0.4 r270
D19: Top Assembly "A" at 56.919,7.252 h0.4 r90
J3: Top Overlay "1" at 68.649,90.641 h1.5; Top Assembly "1" at 66.687,91.665 h0.7 r90
J6: Top Assembly "1" at 4.207,84.36 h0.8
J9: Top Assembly "1" at 1.831,48.774 h0.5 r90
J10: Top Overlay "1" at 71.098,67.957 h0.8; Top Assembly "1" at 72.238,68.25 h0.8
J11: Top Overlay "1" at 48.513,61.291 h1.2; Top Assembly "1" at 46.782,62.365 h0.8
J12: Top Overlay "1" at 25.038,56.241 h0.8 r270; Top Assembly "1" at 26.5,54.541 h0.8
J16: Top Overlay "1" at 68.638,33.241 h1 r270
J17: Top Overlay "1" at 0.441,42.769 h0.8 r270; Top Assembly "1" at 1.953,41.519 h0.5
J18: Top Assembly "1" at 1.225,33.158 h0.8
J19: Top Overlay "1" at 70.842,89.601 h1.52 r270; Top Assembly "1" at 71.533,86.807 h1.2
S3: Top Overlay "2" at 43.395,98.916 h0.8; Top Overlay "on" at 41.395,102.916 h0.8; Top Overlay "1" at 42.145,98.916 h0.8